# KiCad board rosco_m68k.kicad_pcb
title: rosco_m68k Classic 68030 Edition; date: 2024-03-17; rev: 030-2.10; company: The Really Old-School Company Limited; note: OSHWA UK000006 (https://certification.oshwa.org/uk000006.html); note: https://github.com/rosco-m68k/rosco_m68k/blob/develop/LICENSE; note: Open Source Hardware licenced under CERN Open Hardware Licence; note: Copyright ©2019-2024 Ross Bamford & Contributors
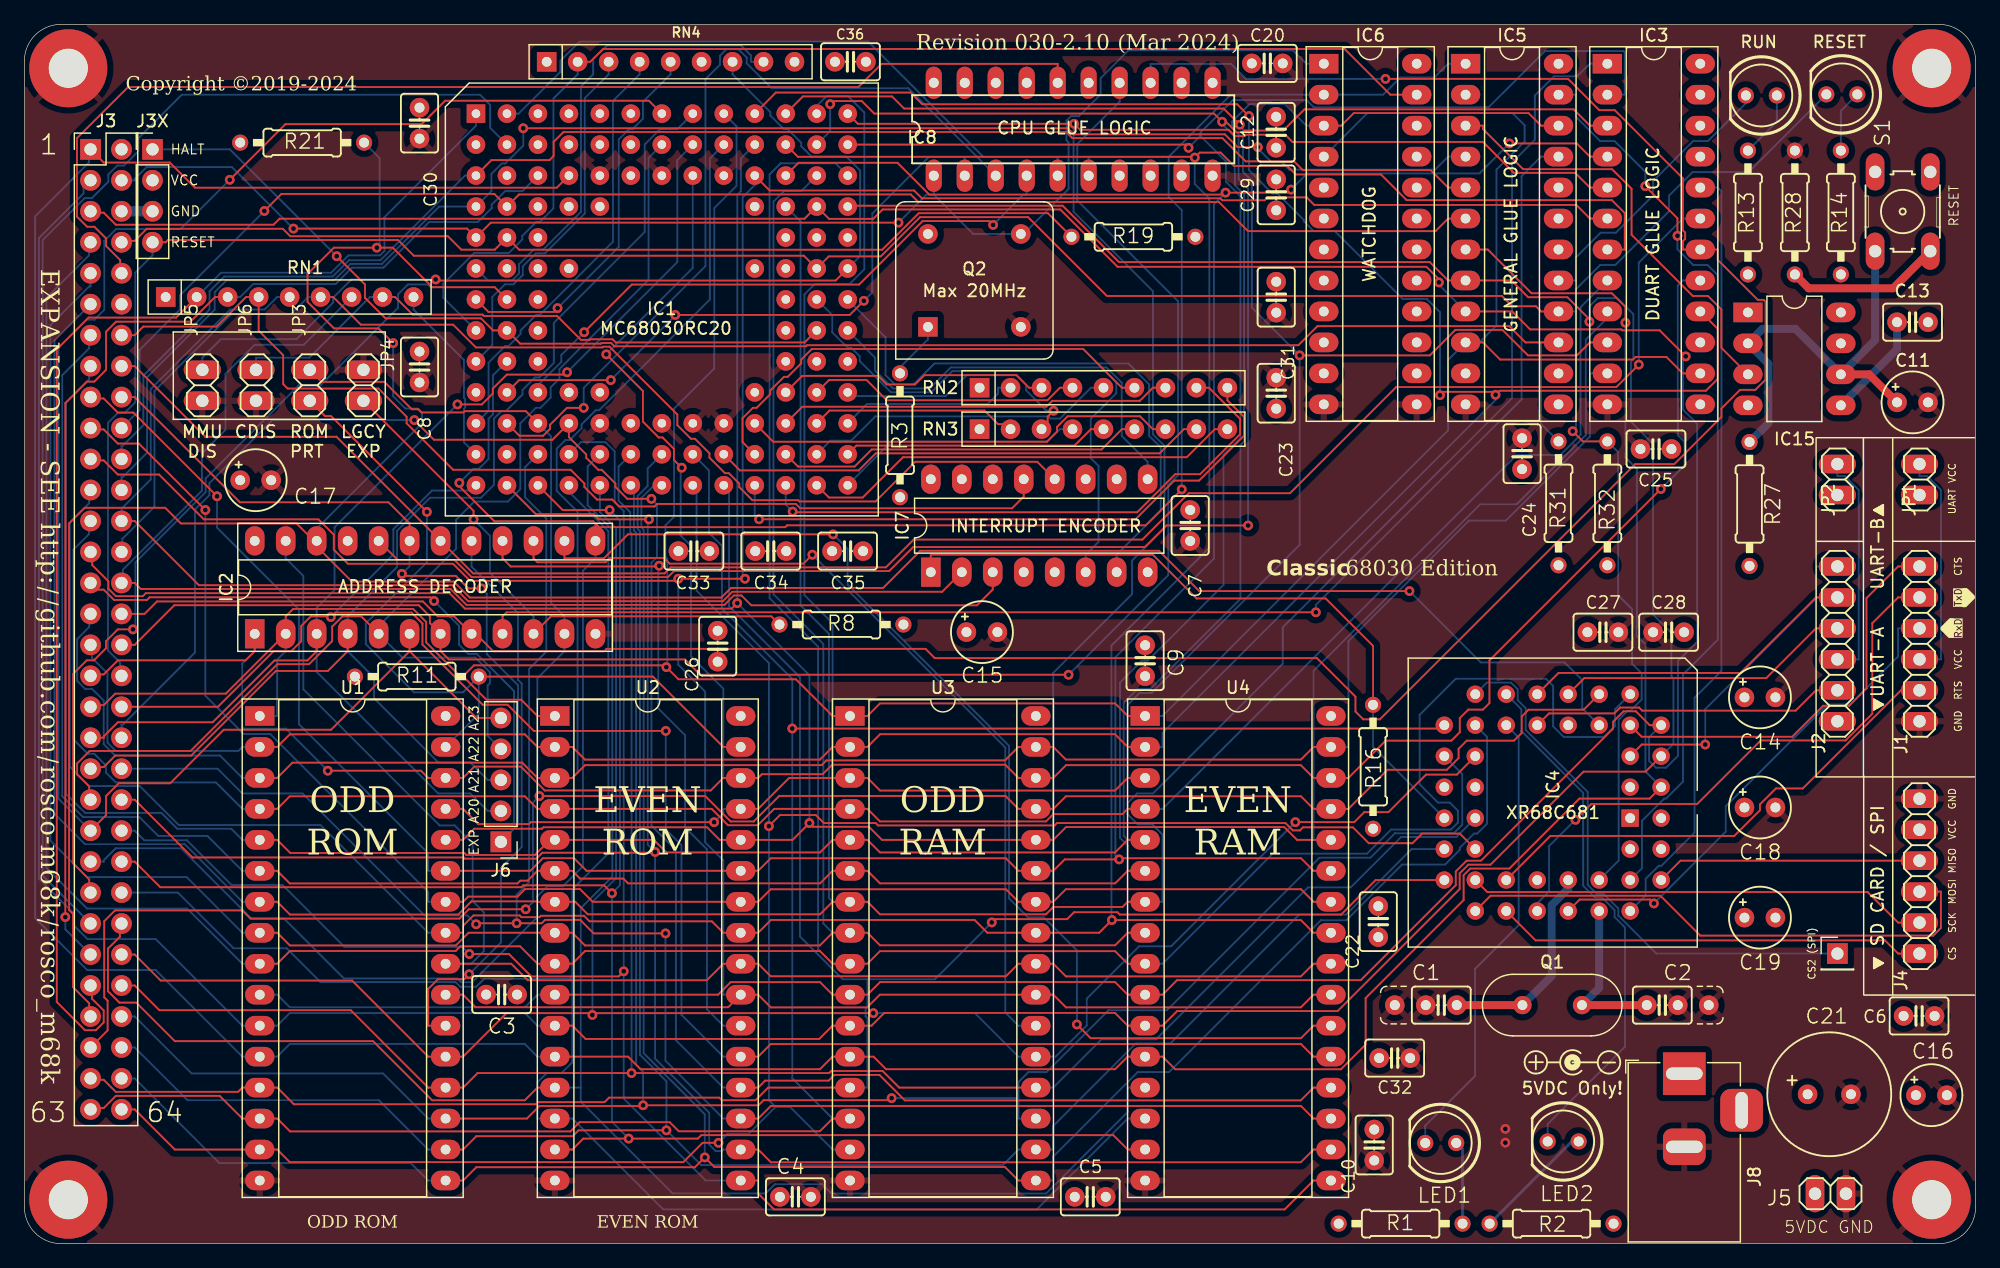
[diagram p0: board, top side]
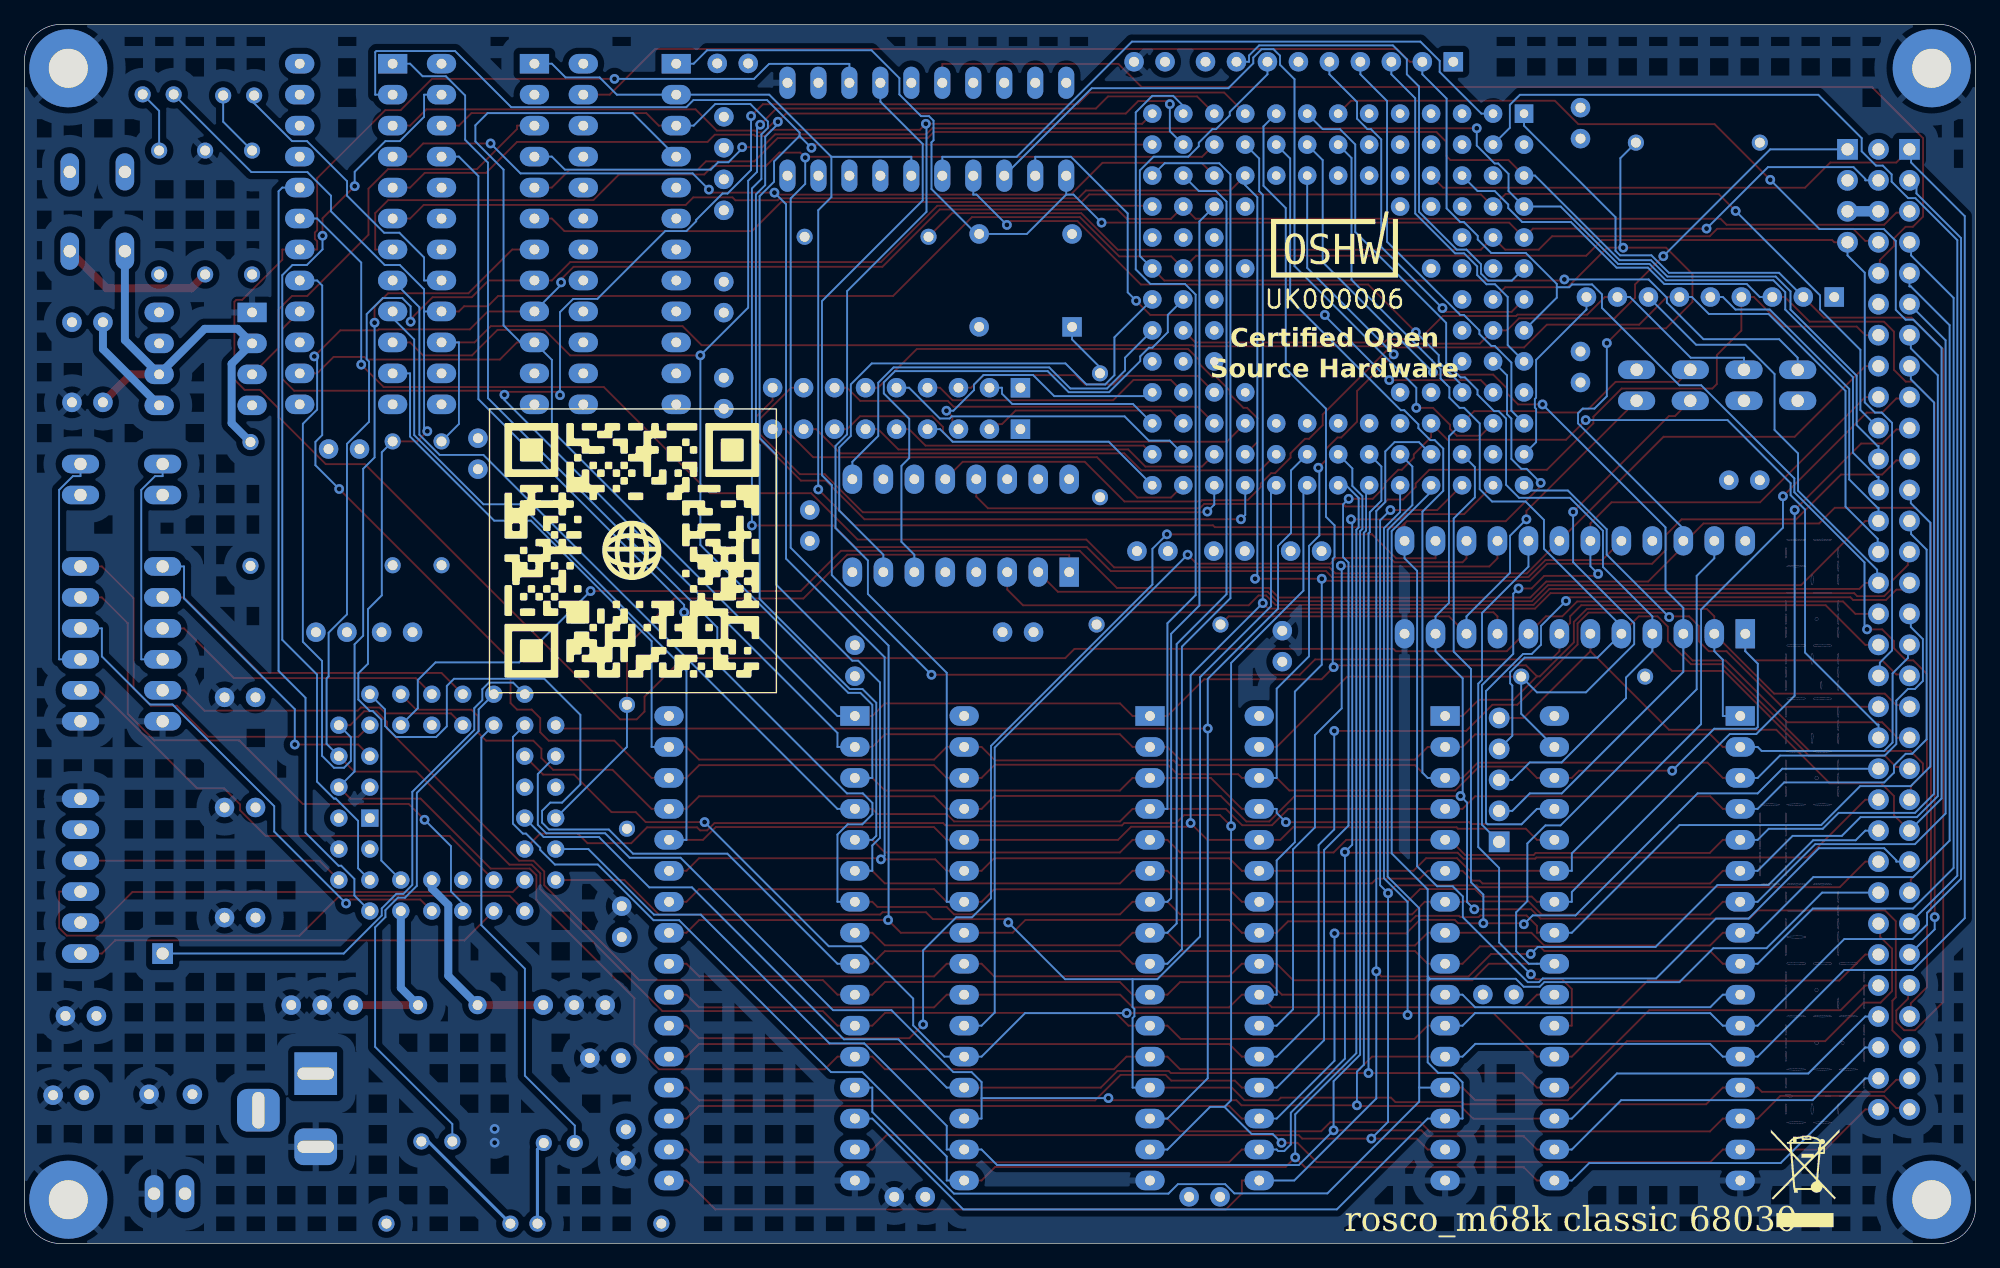
[diagram p1: board, bottom side, seen from below]

Outline 160 x 100 mm; copper layers: Top, Route2, Route15, Bottom. Coordinates in mm from the lower left corner of the outline.
Outline path: 0,97 0,3 arc(0.88,0.88) 3,0 157,0 arc(159.12,0.88) 160,3 160,97 arc(159.12,99.12) 157,100 3,100 arc(0.88,99.12) 0,97
Stack: Top 0.035mm / dielectric 0.48mm FR4 er 4.5 / Route2 0.035mm / dielectric 0.48mm FR4 er 4.5 / Route15 0.035mm / dielectric 0.48mm FR4 er 4.5 / Bottom 0.035mm

## Placement (name value [footprint] x y rotation side)
C1  7pF  [C2.5_or_3.5-3]  116.18 19.56 0 top
C2  7pF  [C2.5_or_3.5-3]  134.31 19.56 180 top
C3  100nF  [C2.5-3]  39.13 20.43 0 top
C4  100nF  [C2.5-3]  63.22 3.84 0 top
C5  100nF  [C2.5-3]  87.4 3.84 0 top
C6  100nF  [C2.5-3]  155.36 18.67 0 top
C7  100nF  [C2.5-3]  95.59 58.9 270 top
C8  100nF  [C2.5-3]  32.4 71.9 270 top
C9  100nF  [C2.5-3]  91.9 47.81 270 top
C10  100nF  [C2.5-3]  110.69 8.09 270 top
C11  100uF  [E2,5-5]  154.83 69 0 top
C12  100nF  [C2.5-3]  102.64 91.15 270 top
C13  100nF  [C2.5-3]  154.83 75.57 180 top
C14  100uF  [E2,5-5]  142.32 44.8 0 top
C15  100uF  [E2,5-5]  78.52 50.16 0 top
C16  100uF  [E2,5-5]  156.38 12.17 0 top
C17  100uF  [E2,5-5]  18.97 62.62 0 top
C18  100uF  [E2,5-5]  142.32 35.77 0 top
C19  100uF  [E2,5-5]  142.32 26.74 0 top
C20  100nF  [C2.5-3]  101.92 96.8 0 top
C21  470uF  [E3,5-10]  148 12.25 0 top
C22  100nF  [C2.5-3]  111.02 26.41 90 top
C23  100nF  [C2.5-3]  102.65 69.75 90 top
C24  100nF  [C2.5-3]  122.81 64.79 90 top
C25  100nF  [C2.5-3]  133.79 65.17 180 top
C26  100nF  [C2.5-3]  56.85 49 90 top
C27  100nF  [C2.5-3]  129.44 50.15 0 top
C28  100nF  [C2.5-3]  134.82 50.15 0 top
C29  100nF  [C2.5-3]  102.65 86.02 270 top
C30  100nF  [C2.5-3]  32.4 91.9 90 top
C31  100nF  [C2.5-3]  102.65 77.63 270 top
C32  100nF  [C2.5-3]  112.36 15.22 0 top
C33  100nF  [C2.5-3]  54.9 56.8 0 top
C34  100nF  [C2.5-3]  61.2 56.8 0 top
C35  100nF  [C2.5-3]  67.5 56.8 0 top
C36  100nF  [C2.5-3]  67.74 96.93 0 top
G***  LOGO  [rosco-m68k.com-qr-code]  110.19 56.86 180 bottom
H1  MountingHole  [MountingHole_3.2mm_M3_Pad]  3.6 3.6 0 top
H2  MountingHole  [MountingHole_3.2mm_M3_Pad]  3.6 96.4 0 top
H3  MountingHole  [MountingHole_3.2mm_M3_Pad]  156.4 96.4 0 top
H4  MountingHole  [MountingHole_3.2mm_M3_Pad]  156.4 3.6 0 top
IC1  MC68030RC_PGA  [MC68030RC]  52.27 77.44 180 top
IC2  ATF22V10C  [DIP-24_W7.62mm_Socket_LongPads]  18.89 50.02 90 top
IC3  ATF22V10C  [DIP-24_W7.62mm_Socket_LongPads]  129.8 96.78 0 top
IC4  XR68C681CJTR-F  [PLCC-44_THT-Socket]  131.67 34.9 270 top
IC5  ATF22V10C  [DIP-24_W7.62mm_Socket_LongPads]  118.18 96.78 0 top
IC6  ATF22V10C  [DIP-24_W7.62mm_Socket_LongPads]  106.55 96.78 0 top
IC7  74LS148  [DIP-16_W7.62mm_LongPads]  74.32 55.07 90 top
IC8  ATF16V8BQL  [DIL20]  86 91.4 0 top
IC15  555N  [DIP-8_W7.62mm_LongPads]  141.33 76.38 0 top
J1  UART_A  [1X06]  155.4 46.65 90 top
J2  UART_B  [1X06]  148.66 46.65 90 top
J3  Conn_02x32_Odd_Even  [PinHeader_2x32_P2.54mm_Vertical]  5.42 89.75 0 top
J3-X1  Conn_01x04_Male  [PinHeader_1x04_P2.54mm_Vertical]  10.5 89.75 0 top
J4  Conn_01x06  [1X06]  155.4 27.6 90 top
J5  PWR  [1X02]  148.1 4.1 0 top
J6  Conn_01x05_Male  [PinHeader_1x05_P2.54mm_Vertical]  39.07 32.95 180 top
J7  Conn_01x01_Male  [PinHeader_1x01_P2.54mm_Vertical]  148.66 23.79 0 top
J8  Jack-DC  [BarrelJack_Horizontal]  136.11 13.94 90 top
JP1  Jumper  [1X02]  155.4 62.67 270 top
JP2  Jumper  [1X02]  148.66 62.67 270 top
JP3  Jumper  [1X02]  23.4 70.4 270 top
JP4  Jumper  [1X02]  27.8 70.4 90 top
JP5  Jumper  [1X02]  14.59 70.4 270 top
JP6  Jumper  [1X02]  18.99 70.4 270 top
LED1  GREEN  [LED5MM]  116.14 8.25 180 top
LED2  RED  [LED5MM]  126.18 8.38 180 top
LED3  GREEN  [LED5MM]  142.43 94.17 180 top
LED4  RED  [LED5MM]  149.03 94.26 180 top
OSHW_Mono_0.25_Scale  UK000006  [OSHW_Mono_0.25_Scale]  52.57 81.95 180 bottom
Q1  3.6864MHz  [Crystal_HC49-4H_Vertical]  122.84 19.56 0 top
Q2  5H8ET-20.000  [Oscillator_DIP-8]  74.09 75.19 0 top
R1  330R  [0207_10]  112.85 1.64 180 top
R2  330R  [0207_10]  125.23 1.64 0 top
R3  4K7  [0207_10]  71.8 66.3 90 top
R8  4K7  [0207_10]  67 50.78 180 top
R11  10K  [0207_10]  32.18 46.51 0 top
R13  330R  [0207_10]  141.33 84.57 270 top
R14  330R  [0207_10]  148.95 84.57 270 top
R16  4K7  [0207_10]  110.59 39.11 90 top
R19  10K  [0207_10]  90.94 82.58 180 top
R21  1K2  [0207_10]  22.78 90.3 0 top
R27  2K2  [0207_10]  141.46 60.67 270 top
R28  270R  [0207_10]  145.18 84.57 270 top
R31  4K7  [0207_10]  125.8 60.72 270 top
R32  4K7  [0207_10]  129.8 60.72 270 top
REF**  -  [Symbol_Barrel_Polarity]  126.94 14.94 0 top
REF**#2  -  [MD-rosco_m68k_logo]  16.41 32.8 270 bottom
RN1  4K7  [R_Array_SIP9]  11.59 77.64 0 top
RN2  10K  [R_Array_SIP9]  78.32 70.2 0 top
RN3  R_Network08  [R_Array_SIP9]  78.32 66.8 0 top
RN4  4K7  [R_Array_SIP9]  42.83 96.93 0 top
rosco_m68k  -  [SM-rosco_m68k_logo]  17.7 97.44 0 top
rosco_m68k_mid  -  [SM-rosco_m68k_logo]  112.04 58.08 0 top
S1  10-XX  [B3F-10XX]  154.02 84.65 90 top
U1  SST39SF040  [DIP-32_W15.24mm_Socket_LongPads]  19.3 43.28 0 top
U2  SST39SF040  [DIP-32_W15.24mm_Socket_LongPads]  43.5 43.28 0 top
U3  AS6C4008-55PCN  [DIP-32_W15.24mm_Socket_LongPads]  67.7 43.28 0 top
U4  AS6C4008-55PCN  [DIP-32_W15.24mm_Socket_LongPads]  91.9 43.28 0 top
weee  -  [WEEE-Logo_5.6x8mm_SilkScreen]  13.98 5.36 180 bottom

## Library data of the parts
C1 C2 C28-C30 = -: Description: Unpolarized capacitor
H1-H4 = -: Description: Mounting Hole with connection
IC7 = -: Description: Priority Encoder 3 to 8 cascadable
J1 J2 = -: Description: Generic connector, single row, 01x06, script generated
J3 = -: Description: Generic connector, double row, 02x32, odd/even pin numbering scheme (row 1 odd numbers, row 2 even numbers), script generated (kicad-library-utils/schlib/autogen/connector/)
J3-X1 = -: Description: Generic connector, single row, 01x04, script generated
J4 = -: Description: Generic connector, single row, 01x06, script generated (kicad-library-utils/schlib/autogen/connector/)
J5 = -: 1: +5V; 2: GND
J6 = -: Description: Generic connector, single row, 01x05, script generated
J7 = -: Description: Generic connector, single row, 01x01, script generated
J8 = -: Description: DC Barrel Jack
JP1-JP6 = -: Description: Jumper, 2-pole, open
Q1 = -: Description: Two pin crystal
Q2 = -: Description: Crystal Clock Oscillator, DIP8-style metal package
R3 R8 R11 R16 R19 R21 = -: Description: Resistor
RN1-RN4 = -: Description: 8 resistor network, star topology, bussed resistors, small symbol
U1 U2 = -: Description: Silicon Storage Technology (SSF) 512k x 8 Flash ROM

## Footprints (pads in the part's own frame, mm; a bottom-side part is the same pattern mirrored in y, then rotated)
1X02
  oval 1.524x3.048 hole 1.016: 1(-1.27,0) 2(1.27,0)
1X06
  oval 1.524x3.048 hole 1.016: 1(-3.81,0) 2(-1.27,0) 3(1.27,0) 4(3.81,0) 5(6.35,0) 6(8.89,0)
0207_10
  round 1.321 hole 0.813: 1(-5.08,0) 2(5.08,0)
B3F-10XX
  oval 3.048x1.524 hole 1.016: 1(-3.251,2.261) 2(3.251,2.261) 3(-3.251,-2.261) 4(3.251,-2.261)
BarrelJack_Horizontal
  rect 3.5x3.5 hole 1x3: 1(0,0)
  rrect 3x3.5 hole 1x3: 2(-6,0)
  rrect 3.5x3.5 hole 3x1: 3(-3,-4.7)
C2.5-3
  round 1.6 hole 0.813: 1(-1.27,0) 2(1.27,0)
C2.5_or_3.5-3
  round 1.6 hole 0.813: 1(-3.81,0) 1(-1.27,0) 2(1.27,0)
Crystal_HC49-4H_Vertical
  round 1.5 hole 0.8: 1(0,0) 2(4.88,0)
DIL20
  oval 1.321x2.642 hole 0.813: 1(-11.43,-3.81) 2(-8.89,-3.81) 3(-6.35,-3.81) 4(-3.81,-3.81) 5(-1.27,-3.81) 6(1.27,-3.81) 7(3.81,-3.81) 8(6.35,-3.81) 9(8.89,-3.81) 10(11.43,-3.81) 11(11.43,3.81) 12(8.89,3.81) 13(6.35,3.81) 14(3.81,3.81) 15(1.27,3.81) 16(-1.27,3.81) 17(-3.81,3.81) 18(-6.35,3.81) 19(-8.89,3.81) 20(-11.43,3.81)
DIP-8_W7.62mm_LongPads
  rect 2.4x1.6 hole 0.8: 1(0,0)
  oval 2.4x1.6 hole 0.8: 2(0,-2.54) 3(0,-5.08) 4(0,-7.62) 5(7.62,-7.62) 6(7.62,-5.08) 7(7.62,-2.54) 8(7.62,0)
DIP-16_W7.62mm_LongPads
  rect 2.4x1.6 hole 0.8: 1(0,0)
  oval 2.4x1.6 hole 0.8: 2(0,-2.54) 3(0,-5.08) 4(0,-7.62) 5(0,-10.16) 6(0,-12.7) 7(0,-15.24) 8(0,-17.78) 9(7.62,-17.78) 10(7.62,-15.24) 11(7.62,-12.7) 12(7.62,-10.16) 13(7.62,-7.62) 14(7.62,-5.08) 15(7.62,-2.54) 16(7.62,0)
DIP-24_W7.62mm_Socket_LongPads
  rect 2.4x1.6 hole 0.8: 1(0,0)
  oval 2.4x1.6 hole 0.8: 2(0,-2.54) 3(0,-5.08) 4(0,-7.62) 5(0,-10.16) 6(0,-12.7) 7(0,-15.24) 8(0,-17.78) 9(0,-20.32) 10(0,-22.86) 11(0,-25.4) 12(0,-27.94) 13(7.62,-27.94) 14(7.62,-25.4) 15(7.62,-22.86) 16(7.62,-20.32) 17(7.62,-17.78) 18(7.62,-15.24) 19(7.62,-12.7) 20(7.62,-10.16) 21(7.62,-7.62) 22(7.62,-5.08) 23(7.62,-2.54) 24(7.62,0)
DIP-32_W15.24mm_Socket_LongPads
  rect 2.4x1.6 hole 0.8: 1(0,0)
  oval 2.4x1.6 hole 0.8: 2(0,-2.54) 3(0,-5.08) 4(0,-7.62) 5(0,-10.16) 6(0,-12.7) 7(0,-15.24) 8(0,-17.78) 9(0,-20.32) 10(0,-22.86) 11(0,-25.4) 12(0,-27.94) 13(0,-30.48) 14(0,-33.02) 15(0,-35.56) 16(0,-38.1) 17(15.24,-38.1) 18(15.24,-35.56) 19(15.24,-33.02) 20(15.24,-30.48) 21(15.24,-27.94) 22(15.24,-25.4) 23(15.24,-22.86) 24(15.24,-20.32) 25(15.24,-17.78) 26(15.24,-15.24) 27(15.24,-12.7) 28(15.24,-10.16) 29(15.24,-7.62) 30(15.24,-5.08) 31(15.24,-2.54) 32(15.24,0)
E2,5-5
  round 1.6 hole 0.813: +(-1.27,0) -(1.27,0)
E3,5-10
  round 1.6 hole 0.813: +(-1.778,0) -(1.778,0)
LED5MM
  round 1.321 hole 0.813: A(-1.27,0) K(1.27,0)
MC68030RC
  rect 1.524x1.524 hole 0.7: A1(15.24,-15.24)
  round 1.524 hole 0.7: A2(12.7,-15.24) A3(10.16,-15.24) A4(7.62,-15.24) A5(5.08,-15.24) A6(2.54,-15.24) A7(0,-15.24) A8(-2.54,-15.24) A9(-5.08,-15.24) A10(-7.62,-15.24) A11(-10.16,-15.24) A12(-12.7,-15.24) A13(-15.24,-15.24) B1(15.24,-12.7) B2(12.7,-12.7) B3(10.16,-12.7) B4(7.62,-12.7) B5(5.08,-12.7) B6(2.54,-12.7) B7(0,-12.7) B8(-2.54,-12.7) B9(-5.08,-12.7) B10(-7.62,-12.7) B11(-10.16,-12.7) B12(-12.7,-12.7) B13(-15.24,-12.7) C1(15.24,-10.16) C2(12.7,-10.16) C3(10.16,-10.16) C4(7.62,-10.16) C5(5.08,-10.16) C6(2.54,-10.16) C7(0,-10.16) C8(-2.54,-10.16) C9(-5.08,-10.16) C10(-7.62,-10.16) C11(-10.16,-10.16) C12(-12.7,-10.16) C13(-15.24,-10.16) D1(15.24,-7.62) D2(12.7,-7.62) D3(10.16,-7.62) D12(-12.7,-7.62) D13(-15.24,-7.62) E1(15.24,-5.08) E2(12.7,-5.08) E3(10.16,-5.08) E11(-10.16,-5.08) E12(-12.7,-5.08) E13(-15.24,-5.08) F1(15.24,-2.54) F2(12.7,-2.54) F3(10.16,-2.54) F10(-7.62,-2.54) F11(-10.16,-2.54) F12(-12.7,-2.54) F13(-15.24,-2.54) G1(15.24,0) G2(12.7,0) G3(10.16,0) G11(-10.16,0) G12(-12.7,0) G13(-15.24,0) H1(15.24,2.54) H2(12.7,2.54) H3(10.16,2.54) H11(-10.16,2.54) H12(-12.7,2.54) H13(-15.24,2.54) J1(15.24,5.08) J2(12.7,5.08) J3(10.16,5.08) J11(-10.16,5.08) J12(-12.7,5.08) J13(-15.24,5.08) K1(15.24,7.62) K2(12.7,7.62) K3(10.16,7.62) K5(5.08,7.62) K10(-7.62,7.62) K12(-12.7,7.62) K13(-15.24,7.62) L1(15.24,10.16) L2(12.7,10.16) L3(10.16,10.16) L4(7.62,10.16) L5(5.08,10.16) L6(2.54,10.16) L7(0,10.16) L8(-2.54,10.16) L9(-5.08,10.16) L10(-7.62,10.16) L11(-10.16,10.16) L12(-12.7,10.16) L13(-15.24,10.16) M1(15.24,12.7) M2(12.7,12.7) M3(10.16,12.7) M4(7.62,12.7) M5(5.08,12.7) M6(2.54,12.7) M7(0,12.7) M8(-2.54,12.7) M9(-5.08,12.7) M10(-7.62,12.7) M11(-10.16,12.7) M12(-12.7,12.7) M13(-15.24,12.7) N1(15.24,15.24) N2(12.7,15.24) N3(10.16,15.24) N4(7.62,15.24) N5(5.08,15.24) N6(2.54,15.24) N7(0,15.24) N8(-2.54,15.24) N9(-5.08,15.24) N10(-7.62,15.24) N11(-10.16,15.24) N12(-12.7,15.24) N13(-15.24,15.24)
  round 1.524 hole 0.762: D4(7.62,-7.62) D5(5.08,-7.62) D10(-7.62,-7.62) D11(-10.16,-7.62) F4(7.62,-2.54) K4(7.62,7.62) K11(-10.16,7.62)
MountingHole_3.2mm_M3_Pad
  round 6.4 hole 3.2: 1(0,0)
Oscillator_DIP-8
  rect 1.6x1.6 hole 0.8: 1(0,0)
  round 1.6 hole 0.8: 4(7.62,0) 5(7.62,7.62) 8(0,7.62)
PinHeader_1x01_P2.54mm_Vertical
  rect 1.7x1.7 hole 1: 1(0,0)
PinHeader_1x04_P2.54mm_Vertical
  rect 1.7x1.7 hole 1: 1(0,0)
  oval 1.7x1.7 hole 1: 2(0,-2.54) 3(0,-5.08) 4(0,-7.62)
PinHeader_1x05_P2.54mm_Vertical
  rect 1.7x1.7 hole 1: 1(0,0)
  oval 1.7x1.7 hole 1: 2(0,-2.54) 3(0,-5.08) 4(0,-7.62) 5(0,-10.16)
PinHeader_2x32_P2.54mm_Vertical
  rect 1.7x1.7 hole 1: 1(0,0)
  oval 1.7x1.7 hole 1: 2(2.54,0) 3(0,-2.54) 4(2.54,-2.54) 5(0,-5.08) 6(2.54,-5.08) 7(0,-7.62) 8(2.54,-7.62) 9(0,-10.16) 10(2.54,-10.16) 11(0,-12.7) 12(2.54,-12.7) 13(0,-15.24) 14(2.54,-15.24) 15(0,-17.78) 16(2.54,-17.78) 17(0,-20.32) 18(2.54,-20.32) 19(0,-22.86) 20(2.54,-22.86) 21(0,-25.4) 22(2.54,-25.4) 23(0,-27.94) 24(2.54,-27.94) 25(0,-30.48) 26(2.54,-30.48) 27(0,-33.02) 28(2.54,-33.02) 29(0,-35.56) 30(2.54,-35.56) 31(0,-38.1) 32(2.54,-38.1) 33(0,-40.64) 34(2.54,-40.64) 35(0,-43.18) 36(2.54,-43.18) 37(0,-45.72) 38(2.54,-45.72) 39(0,-48.26) 40(2.54,-48.26) 41(0,-50.8) 42(2.54,-50.8) 43(0,-53.34) 44(2.54,-53.34) 45(0,-55.88) 46(2.54,-55.88) 47(0,-58.42) 48(2.54,-58.42) 49(0,-60.96) 50(2.54,-60.96) 51(0,-63.5) 52(2.54,-63.5) 53(0,-66.04) 54(2.54,-66.04) 55(0,-68.58) 56(2.54,-68.58) 57(0,-71.12) 58(2.54,-71.12) 59(0,-73.66) 60(2.54,-73.66) 61(0,-76.2) 62(2.54,-76.2) 63(0,-78.74) 64(2.54,-78.74)
PLCC-44_THT-Socket
  rect 1.422x1.422 hole 0.8: 1(0,0)
  round 1.422 hole 0.8: 2(-2.54,2.54) 3(-2.54,0) 4(-5.08,2.54) 5(-5.08,0) 6(-7.62,2.54) 7(-10.16,0) 8(-7.62,0) 9(-10.16,-2.54) 10(-7.62,-2.54) 11(-10.16,-5.08) 12(-7.62,-5.08) 13(-10.16,-7.62) 14(-7.62,-7.62) 15(-10.16,-10.16) 16(-7.62,-10.16) 17(-10.16,-12.7) 18(-7.62,-15.24) 19(-7.62,-12.7) 20(-5.08,-15.24) 21(-5.08,-12.7) 22(-2.54,-15.24) 23(-2.54,-12.7) 24(0,-15.24) 25(0,-12.7) 26(2.54,-15.24) 27(2.54,-12.7) 28(5.08,-15.24) 29(7.62,-12.7) 30(5.08,-12.7) 31(7.62,-10.16) 32(5.08,-10.16) 33(7.62,-7.62) 34(5.08,-7.62) 35(7.62,-5.08) 36(5.08,-5.08) 37(7.62,-2.54) 38(5.08,-2.54) 39(7.62,0) 40(5.08,2.54) 41(5.08,0) 42(2.54,2.54) 43(2.54,0) 44(0,2.54)
R_Array_SIP9
  rect 1.6x1.6 hole 0.8: 1(0,0)
  oval 1.6x1.6 hole 0.8: 2(2.54,0) 3(5.08,0) 4(7.62,0) 5(10.16,0) 6(12.7,0) 7(15.24,0) 8(17.78,0) 9(20.32,0)

## Nets
GND: C1.1 C2.1 C3.2 C4.2 C5.2 C6.2 C7.2 C8.2 C9.2 C10.2 C11.- C12.2 C14.- C15.- C16.- C17.- C18.- C19.- C20.2 C21.- C22.2 C23.2 C24.2 C25.2 C26.2 C27.2 C28.1 C29.1 C30.1 C31.2 C32.2 C33.2 C34.2 C35.2 C36.2 H1.1 H2.1 H3.1 H4.1 IC1.C5 IC1.C7 IC1.C9 IC1.E3 IC1.E11 IC1.F3 IC1.G3 IC1.G11 IC1.J3 IC1.J11 IC1.L5 IC1.L7 IC1.L8 IC1.L9 IC2.12 IC3.12 IC4.3 IC4.22 IC4.42 IC4.43 IC5.12 IC6.12 IC6.13 IC7.5 IC7.8 IC7.10 IC8.10 IC8.11 IC15.1 J1.1 J2.1 J3.6 J3-X1.3 J4.6 J5.2 J8.2 JP4.2 JP5.2 JP6.2 Q2.4 R28.1 RN2.1 RN3.1 U1.16 U2.16 U3.16 U4.16
VCC: C3.1 C4.1 C5.1 C6.1 C7.1 C8.1 C9.1 C10.1 C12.1 C13.1 C14.+ C15.+ C16.+ C17.+ C18.+ C19.+ C20.1 C21.+ C22.1 C23.1 C24.1 C25.1 C26.1 C27.1 C28.2 C29.2 C30.2 C31.1 C32.1 C33.1 C34.1 C35.1 C36.1 IC1.C6 IC1.D4 IC1.D10 IC1.F2 IC1.F11 IC1.H3 IC1.H11 IC1.K4 IC1.K10 IC1.L6 IC2.24 IC3.24 IC4.44 IC5.24 IC6.24 IC7.4 IC7.11 IC7.16 IC8.20 IC15.4 IC15.8 J3.2 J3-X1.2 J4.5 J5.1 J8.1 JP1.2 JP2.2 Q2.8 R1.2 R2.2 R3.1 R8.1 R11.1 R13.2 R14.2 R16.1 R19.1 R21.1 R27.2 R31.2 R32.2 RN1.1 RN4.1 U1.32 U2.32 U3.32 U4.32
VCCUA: J1.3 JP1.1
VCCUB: J2.3 JP2.1
A0: IC1.A2 IC8.5
A1: IC1.C4 IC4.2 IC5.7 J3.1 U1.12 U2.12 U3.12 U4.12
A2: IC1.D13 IC4.4 IC5.8 J3.3 U1.11 U2.11 U3.11 U4.11
A3: IC1.D12 IC4.6 IC5.9 J3.5 U1.10 U2.10 U3.10 U4.10
A4: IC1.C13 IC4.7 J3.7 U1.9 U2.9 U3.9 U4.9
A5: IC1.C12 J3.9 U1.8 U2.8 U3.8 U4.8
A6: IC1.D11 IC3.1 J3.11 U1.7 U2.7 U3.7 U4.7
A7: IC1.B13 IC3.2 J3.13 U1.6 U2.6 U3.6 U4.6
A8: IC1.B12 IC3.3 J3.15 U1.5 U2.5 U3.5 U4.5
A9: IC1.C11 IC3.4 J3.17 U1.27 U2.27 U3.27 U4.27
A10: IC1.A13 IC3.5 J3.19 U1.26 U2.26 U3.26 U4.26
A11: IC1.C10 IC3.6 J3.21 U1.23 U2.23 U3.23 U4.23
A12: IC1.B11 IC3.7 J3.23 U1.25 U2.25 U3.25 U4.25
A13: IC1.A12 IC3.8 J3.25 U1.4 U2.4 U3.4 U4.4
A14: IC1.B10 IC3.9 J3.27 U1.28 U2.28 U3.28 U4.28
A15: IC1.A11 IC3.10 J3.29 U1.29 U2.29 U3.3 U4.3
A16: IC1.B9 IC3.11 J3.31 U1.3 U2.3 U3.31 U4.31
A17: IC1.A10 IC3.16 J3.33 U1.2 U2.2 U3.2 U4.2
A18: IC1.C8 IC2.1 IC3.17 J3.35 U1.30 U2.30 U3.30 U4.30
A19: IC1.A9 IC2.2 IC3.14 IC5.10 IC6.4 J3.37 U1.1 U2.1 U3.1 U4.1
A20: IC1.B8 IC2.3 J3.39 J6.2
A21: IC1.A8 IC2.4 J3.41 J6.3
A22: IC1.B7 IC2.5 J3.43 J6.4
A23: IC1.A7 IC2.6 J3.45 J6.5
AS: IC1.J2 IC2.13 IC5.1 IC6.2 IC8.6 J3.47
BERR: IC1.H1 IC6.23 J3.49 RN4.2
BG: IC1.B2 J3.51
BGACK: IC1.C3 J3.53 RN1.3
BOOT: IC2.9 IC5.21
BR: IC1.A1 J3.55 RN1.2
CBACK: IC1.J1 RN4.3
CDIS: IC1.H12 JP6.1 RN1.8
CIIN: IC1.L1 RN4.4
CLK: IC1.E1 IC6.1 IC8.1 J3.4 Q2.5
CPUSP: IC2.20 IC5.22 IC6.3
CTSA: IC4.8 J1.6
CTSB: IC4.5 J2.6
D0: IC1.N9 IC4.28 J3.61 U1.13 U3.13
D1: IC1.M8 IC4.18 J3.63 U1.14 U3.14
D2: IC1.N8 IC4.27 J3.64 U1.15 U3.15
D3: IC1.N7 IC4.19 J3.62 U1.17 U3.17
D4: IC1.M7 IC4.26 J3.60 U1.18 U3.18
D5: IC1.N6 IC4.20 J3.58 U1.19 U3.19
D6: IC1.M6 IC4.25 J3.56 U1.20 U3.20
D7: IC1.N5 IC4.21 J3.54 U1.21 U3.21
D8: IC1.M5 J3.52 U2.13 U4.13
D9: IC1.N4 J3.50 U2.14 U4.14
D10: IC1.N3 J3.48 U2.15 U4.15
D11: IC1.M4 J3.46 U2.17 U4.17
D12: IC1.N2 J3.44 U2.18 U4.18
D13: IC1.M3 J3.42 U2.19 U4.19
D14: IC1.L4 J3.40 U2.20 U4.20
D15: IC1.N1 J3.38 U2.21 U4.21
DBEN: IC1.M1 RN1.9
DS: IC1.K2 IC8.2
DSACK0: IC1.F1 RN4.8
DTACK: IC1.G2 IC2.22 IC4.10 J3.57 R21.2
DUAIACK: IC4.41 IC5.23
DUAIRQ: IC4.24 IC7.1 R16.2
DUASEL: IC3.20 IC4.39
E: IC8.16 J3.10
EVENRAMSEL: IC2.14 U4.22
EVENROMSEL: IC2.16 U2.22
EXPSEL: IC2.19 J3.18 J6.1
FC0: IC1.D2 IC5.6 J3.20
FC1: IC1.C1 IC5.5 J3.22
FC2: IC1.D1 IC5.4 J3.24
HALT: IC1.H2 IC5.15 J3-X1.1 R31.1
HWRST: IC5.3 IC15.3
IOSEL: IC2.18 IC3.19 J3.16
IPL0: IC1.H13 IC7.9
IPL1: IC1.G13 IC7.7
IPL2: IC1.G12 IC7.6
IRQ2: IC7.12 J3.28 RN1.6
IRQ3: IC7.13 J3.14 RN1.4
IRQ5: IC7.2 J3.26 RN1.5
IRQ6: IC7.3 J3.30 RN1.7
LDS: IC2.8 IC3.18 IC8.13 J3.32
LGEXP: IC2.10 JP4.1 R8.2
MMUDIS: IC1.F13 JP5.1 RN4.7
ODDRAMSEL: IC2.15 U3.22
ODDROMSEL: IC2.17 U1.22
RESET: IC1.F12 IC4.38 IC5.16 J3.36 J3-X1.4 LED4.K R32.1
ROM_RW: JP3.2 R11.2 U1.31 U2.31
RTSA: IC4.32 J1.2
RTSB: IC4.14 J2.2
RUNLED: IC5.17 LED3.K
RW: IC1.L3 IC2.11 IC4.9 J3.59 JP3.1 U3.29 U4.29
RXDA: IC4.35 J1.4
RXDB: IC4.11 J2.4
SIZ0: IC1.L2 IC8.3
SIZ1: IC1.K3 IC8.4
SPICLK: IC4.30 J4.2
SPICS: IC4.31 J4.1
SPICS2: IC4.17 J7.1
SPIMISO: IC4.40 J4.4
SPIMOSI: IC4.29 J4.3
STERM: IC1.G1 RN4.5
TXDA: IC4.33 J1.5
TXDB: IC4.13 J2.5
UD0: IC1.K13 RN3.3
UD1: IC1.K12 RN2.4
UD2: IC1.L13 RN2.2
UD3: IC1.M13 RN3.5
UD4: IC1.L12 RN3.2
UD5: IC1.K11 RN2.3
UD6: IC1.M12 RN2.5
UD7: IC1.L11 RN2.7
UD8: IC1.N13 RN3.4
UD9: IC1.M11 RN3.6
UD10: IC1.L10 RN3.7
UD11: IC1.N12 RN3.9
UD12: IC1.M10 RN2.6
UD13: IC1.N11 RN2.8
UD14: IC1.M9 RN3.8
UD15: IC1.N10 RN2.9
UDS: IC2.7 IC8.14 J3.34
VPA: IC1.E2 J3.8 R19.2
WR: IC2.23 U1.24 U2.24 U3.24 U4.24
Net-(IC4-OP3): IC4.15 LED2.K
Net-(IC4-OP5): IC4.16 LED1.K
Net-(IC4-X1/CLK): C1.2 IC4.36 Q1.1
Net-(IC4-X2): C2.2 IC4.37 Q1.2
Net-(IC15-CV): C13.2 IC15.5
Net-(IC15-THR): C11.+ IC15.2 IC15.6 R27.1 S1.1
Net-(LED1-PadA): LED1.A R1.1
Net-(LED2-PadA): LED2.A R2.1
Net-(LED3-PadA): LED3.A R13.1
Net-(LED4-PadA): LED4.A R14.1
Net-(Q2-EN): Q2.1 R3.2
Net-(S1-P): R28.2 S1.3

Pads without a net: IC1 A3 A4 A5 A6 B1 B3 B4 B5 B6 C2 D3 D5 E12 E13 F4 F10 J12 J13 K1 K5 M2; IC2 21; IC3 13 15 21 22 23; IC4 1 12 23 34; IC5 2 11 13 14 18 19 20; IC6 5 6 7 8 9 10 11 14 15 16 17 18 19 20 21 22; IC7 14 15; IC8 7 8 9 12 15 17 18 19; IC15 7; J3 12; J8 3; RN4 6 9; S1 2 4

## Via types
v1: diameter 0.8, hole 0.4, Top to Bottom, 109 vias
